# KiCad board ZX-Spectrum-Pentagon.kicad_pcb (continued)
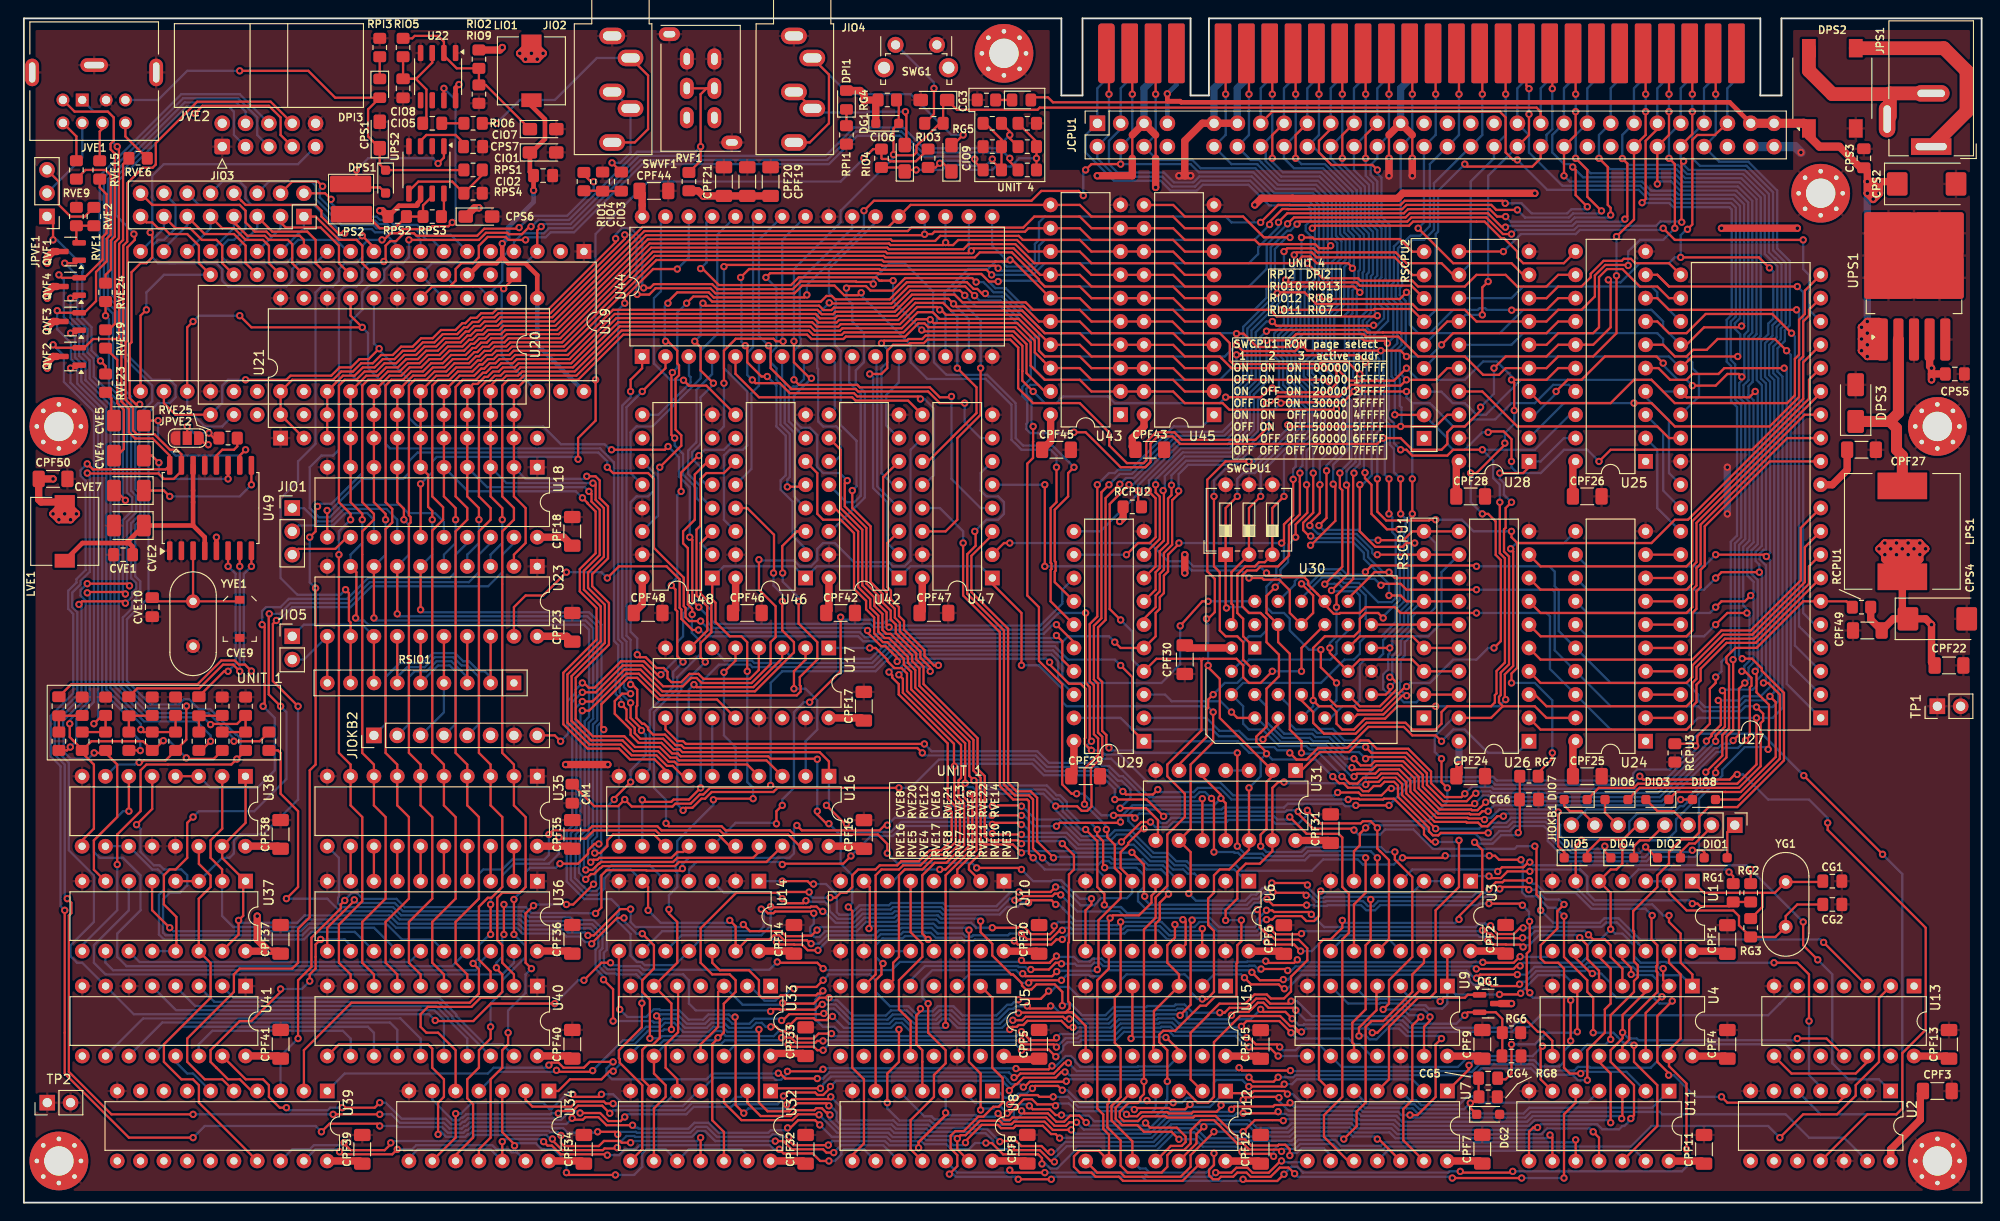
[diagram p0: board, top side]
## Routing (per net, layer and track width the routed paths; a pad name or vN(x,y) marks a point on that pad's centre or on a via; arc(x,y) is an arc through that point) (continued)
/D6: length 296.7
  Top w0.25: 119.38,103.6 116.21,103.6 114.94,104.87 108.73,104.87 108.29,105.31 99.74,105.31 99.19,104.76 94.52,104.76 94.35,104.93 67.91,104.93 58.03,95.05 52.39,95.05 51.94,94.6 50.68,94.6 50.2,94.13 49.57,94.13 48.99,93.54 48.66,93.54 47.92,92.8 46.34,92.8 45.41,91.88 44.14,91.88 43.25,90.99 41.99,90.99 41.09,90.08 39.81,90.08 U19.31 U21.5 U18.8 38.1,76.29 39.37,75.02 v1(39.37,74.39) ; v1(143.24,79.47) 143.24,77.87 143.51,77.6 143.51,69.27 v1(141.61,67.37) ; v1(144.61,101.77) 144.61,101.87 144.15,102.33 140.73,102.33 140,103.05 139.16,103.05 138.43,102.33 126.37,102.33 125.1,103.59 U45.13 ; v1(61.16,36.24) 61.88,36.24 62.54,36.91 62.62,36.91 62.83,37.11 70.67,37.11 71.12,37.56 79.38,37.56 80.01,38.19 U16.17 ; v1(138.43,120.74) 138.43,124.91 XMCPU1.B9 ; U30.20 RSCPU1.5 U26.15 ; v1(38.1,63.68) U23.8 ; 119.38,103.6 121.92,103.6
  Bottom w0.25: v1(61.16,36.24) 60.96,36.44 60.96,39.74 61.49,40.28 61.49,52.26 61.97,52.74 61.97,62.59 61.15,63.41 38.37,63.41 v1(38.1,63.68) ; v1(39.37,74.39) 39.37,70.58 U23.8 ; v1(138.43,120.74) 138.43,116.3 137.16,115.03 137.16,113.76 138.25,112.67 141.42,112.67 144.17,109.92 144.17,105.88 144.77,105.28 144.77,101.93 v1(144.61,101.77) 144.82,101.56 144.82,100.22 144.17,99.57 144.17,97.04 143.79,96.66 143.79,88.08 144.5,87.37 144.5,80.85 143.24,79.59 v1(143.24,79.47) ; v1(141.61,67.37) 141.64,67.41 142.63,67.41 142.64,67.4 143.12,67.4 143.47,67.05 145.14,67.05 146.05,66.14 146.05,63.59 U30.20
/D7: length 316.3
  Top w0.25: U26.13 RSCPU1.7 149.22,68.04 v1(148.59,68.67) 147.02,68.67 144.15,65.8 U30.21 ; v1(36.83,74.39) 36.83,75.02 35.56,76.29 U18.9 U21.4 U19.30 37.27,90.08 38.54,90.08 39.44,90.98 40.71,90.98 41.62,91.89 42.88,91.89 43.8,92.8 45.06,92.8 45.96,93.7 47.54,93.7 48.28,94.44 48.61,94.44 49.2,95.03 49.83,95.03 50.31,95.5 51.57,95.5 52.05,95.99 57.69,95.99 67.53,105.83 96.21,105.83 96.59,106.21 108.78,106.21 109.98,107.41 114.94,107.41 116.21,106.14 119.38,106.14 ; XMCPU1.B3 123.19,124.91 v1(123.19,120.74) ; U16.18 80.83,37.11 71.31,37.11 70.86,36.66 63.01,36.66 62.81,36.46 62.73,36.46 62.07,35.79 61.73,35.79 v1(61.16,35.22) ; U23.9 36.2,68.67 36.2,63.77 v1(36.11,63.68) ; v1(142.24,104.23) 141.97,103.96 141,103.96 140.56,104.41 134.45,104.41 133.99,104.87 126.37,104.87 125.09,106.14 121.93,106.14 U45.12 ; v1(140.07,72.61) 139.9,72.61 139.25,73.26 139.25,74.06 140.34,75.15 140.34,79.47 v1(140.34,79.47) ; 119.38,106.14 121.92,106.14
  Bottom w0.25: v1(36.11,63.68) 36.38,63.41 37.02,63.41 37.47,62.96 60.96,62.96 61.52,62.4 61.52,52.93 61.04,52.45 61.04,40.46 60.51,39.93 60.51,36.62 60.43,36.54 60.43,35.94 v1(61.16,35.22) ; v1(123.19,120.74) 123.19,116.3 121.92,115.03 123.38,113.57 127.19,113.57 128.09,112.67 134.04,112.67 136.29,110.42 140.49,110.42 141.92,108.99 141.92,104.55 v1(142.24,104.23) 141.92,103.91 141.92,98.53 141.27,97.88 141.21,97.88 140.83,97.51 140.83,92.42 139.77,91.36 139.77,90.2 140.88,89.08 140.88,87.81 141.61,87.09 141.61,83.27 140.34,82.01 v1(140.34,79.47) ; v1(148.59,68.67) 147.96,68.67 146.31,70.32 146.31,70.95 144.88,72.39 140.29,72.39 v1(140.07,72.61) ; v1(36.83,74.39) 36.83,71.85 35.56,70.58 U23.9
/DI_32765: length 62.9
  Top w0.25: v1(81.91,41.27) 81.91,42.64 v1(82.55,43.27) ; v1(85.53,54.51) 88.9,57.88 v1(88.9,63.77)
  Bottom w0.25: v1(88.9,63.77) 89.17,63.5 92.31,63.5 92.68,63.13 93.6,63.13 93.88,63.4 94.48,63.4 95.03,62.85 110.63,62.85 113.03,65.26 113.03,65.5 113.03,66.77 U29.13 ; v1(81.91,41.27) 81.82,41.37 77.47,41.37 U16.15 ; v1(85.53,54.51) 84.9,54.51 83.82,53.43 83.82,45.18 82.55,43.91 v1(82.55,43.27)
/DISPLAY: length 257.9
  Top w0.25: v1(139.72,34.6) 139.5,34.82 v1(135.84,34.82) ; 144.78,15.96 144.78,17.23 144.6,17.42 144.6,19.6 146.05,21.05 146.05,28.03 146.59,28.58 v1(146.59,33.02) ; v1(78.74,57.88) 78.74,57.98 78.73,57.99 78.73,61.05 78.09,61.69 76.84,61.69 75.29,63.24 75.29,65.34 74.93,65.7 U48.1 ; v1(129.45,53.43) 129.45,50.17 127,47.72 127,40.72 U31.9 127,38.19 127,33.87 v1(126.8,33.67) ; 57.15,12.45 57.44,12.16 58.17,12.16 59.44,13.43 62.87,13.43 63.77,14.34 64.13,14.34 v1(64.15,14.32) ; 174,15.96 174,17 174.74,17.75 174.74,19.9 177.8,22.95 177.8,25.1 177.71,25.19 177.71,25.8 177.8,25.89 177.8,28.03 177.17,28.67 177.17,31.21 v1(177.24,31.28) ; v1(70.21,31.93) 70.21,31.49 71.12,30.57 71.12,26.13 68.59,23.59 U33.6 70.49,21.69 v1(70.49,18.86) ; v1(159.47,34.15) 160.22,34.9 160.95,34.9 161.13,35.09 v1(163.88,35.09) ; U47.1 105.41,67.4 108.59,64.23 v1(108.59,58.53) ; v1(79.38,44.01) 75.17,44.01 v1(75.05,43.88)
  Bottom w0.25: v1(126.8,33.67) 127.58,32.9 132.93,32.9 133.59,33.56 134.13,33.56 134.85,34.28 135.3,34.28 v1(135.84,34.82) ; v1(108.59,58.53) 110.47,58.53 113.03,55.97 113.03,54.54 113.5,54.07 128.82,54.07 v1(129.45,53.43) ; v1(75.05,43.88) 75.05,43.33 71.12,39.4 71.12,36.85 70.96,36.69 70.96,36.09 71.12,35.92 71.12,34.38 70.21,33.47 v1(70.21,31.93) ; v1(159.47,34.15) 159.07,33.75 158.12,33.75 157.67,33.3 146.87,33.3 v1(146.59,33.02) 146.32,33.3 141.55,33.3 141.47,33.22 140.87,33.22 139.72,34.37 v1(139.72,34.6) ; 105.4,68.05 104.14,69.31 96.5,69.31 95.25,68.05 ; v1(163.88,35.09) 164.23,34.73 164.58,34.73 165.56,33.75 166.37,33.75 168.91,33.75 170.64,32.01 176.5,32.01 v1(177.24,31.28) ; v1(64.15,14.32) 64.86,15.04 64.86,15.64 64.77,15.73 64.77,16.6 65.41,17.24 66.46,17.24 67.94,18.71 69.55,18.71 69.7,18.86 v1(70.49,18.86) ; v1(78.74,57.88) 78.74,45.81 79.38,45.18 v1(79.38,44.01) ; 74.91,68.04 76.19,69.31 83.82,69.31 U46.1 85.09,68.08 86.32,69.31 ; 86.36,69.31 93.97,69.31 95.22,68.05
/F25Hz: length 169.9
  Top w0.25: v1(137.86,14.38) 132.59,14.38 v1(132.27,14.7) ; v1(64.13,15.33) 61.6,15.33 60.96,14.7 58.74,14.7 58.18,15.25 57.42,15.25 v1(57.15,14.98) ; v1(113.69,15.23) 113.25,15.23 112.64,14.62 112.64,14.59 112.11,14.06 108.48,14.06 108.04,13.63 v1(107.78,13.63) ; v1(86.36,13.52) 82.87,13.52 82.39,14 82.22,14 v1(82.12,14.1)
  Bottom w0.25: v1(132.27,14.7) 131.96,14.39 121.43,14.39 121.38,14.33 114.59,14.33 v1(113.69,15.23) ; v1(107.78,13.63) 107.22,14.19 87.66,14.19 87,13.52 v1(86.36,13.52) ; v1(64.13,15.33) 63.85,15.05 63.42,14.62 63.42,14.02 64.02,13.43 ; 193.05,15.96 191.77,17.24 178.28,17.24 177.8,16.76 177.8,15.41 177.09,14.7 170.48,14.7 170.39,14.79 169.16,14.79 168.75,14.38 164.9,14.38 164.21,15.07 158.44,15.07 157.6,14.24 157,14.24 156.91,14.33 137.92,14.33 v1(137.86,14.38) ; 64.13,13.43 74.29,13.43 74.93,14.06 82.08,14.06 v1(82.12,14.1) ; v1(57.15,14.98) 56.87,14.7 51.14,14.7 50.51,14.06 34.92,14.06 U39.1
/FSYNC: length 16.9
  Top w0.25: v1(153.05,20.22) 153.05,19.8 152.41,19.15 152.41,15.96
  Bottom w0.25: v1(153.05,20.22) 153.05,20.38 152.38,21.05 150.79,21.05 150.15,21.68 148.34,21.68 148.26,21.76 147.65,21.76 147.57,21.68 144.14,21.68 142.25,23.58
/Generator/B6: length 186.7
  Top w0.25: v1(108.31,33.84) 108.31,33.84 111.76,33.84 v1(112.3,34.38) ; v1(148.59,43.27) v1(144.98,43.27) ; v1(196.34,41.37) 196.34,40.61 207.01,29.94 207.01,18.83 204.47,16.29 204.47,10.25 203.84,9.62 200.68,9.62 195.59,4.53 ; v1(186.49,46.64) 186.24,46.64 185.68,46.08 176.26,46.08 v1(175.9,46.45) ; v1(85.95,34.71) 85.62,34.71 85.31,35.02 v1(82.55,35.02) ; U6.6 120.64,35.18 119.38,36.44 119.38,38.18 120.19,38.99 120.19,39.17 121.76,40.73 v1(121.92,40.73)
  Bottom w0.25: v1(108.31,33.84) 107.4,33.84 105.85,32.29 100.4,32.29 100.05,32.64 94.42,32.64 94.16,32.38 90.94,32.38 89.93,31.37 88.74,31.37 88.49,31.62 88.49,33.52 87.31,34.71 v1(85.95,34.71) ; v1(121.92,40.73) 121.07,40.73 120.21,41.6 120.21,42.2 120.84,42.82 130.36,42.82 130.57,43.03 137.16,43.03 137.59,43.46 143.57,43.46 143.84,43.18 144.89,43.18 v1(144.98,43.27) ; v1(175.9,46.45) 174.97,45.52 160.15,45.52 159.78,45.9 151.21,45.9 v1(148.59,43.27) ; v1(186.49,46.64) 187.13,46.64 189.87,43.91 194.31,43.91 196.34,41.88 v1(196.34,41.37) ; v1(112.3,34.38) 113.03,34.38 115.02,32.39 116.51,32.39 116.93,32.81 116.93,32.84 117.25,33.16 120.06,33.16 120.64,33.73 U6.6 ; 80.01,35.02 v1(82.55,35.02)
/Generator/B7: length 60.1
  Top w0.25: v1(107.86,32.94) 108.44,32.94 108.88,33.39 111.95,33.39 112.22,33.66 112.73,33.66 v1(112.86,33.53) ; v1(82.55,33.11) 83.05,32.62 84.85,32.62 v1(85.13,32.89) ; v1(126.16,30.82) 126.23,30.82 126.46,30.59 126.46,28.13 125.72,27.39
  Bottom w0.25: v1(126.16,30.82) 125.95,31.02 119.96,31.02 119.23,31.75 117.89,31.75 117.85,31.71 114.68,31.71 v1(112.86,33.53) ; v1(107.86,32.94) 107.69,33.11 107.31,33.11 106.04,31.84 100.21,31.84 99.86,32.19 94.6,32.19 94.35,31.93 91.13,31.93 90.12,30.92 88.56,30.92 87.68,31.79 87.68,32.29 87.19,32.77 85.24,32.77 v1(85.13,32.89) ; 74.94,35.02 76.21,33.75 81.91,33.75 v1(82.55,33.11)
/Generator/B8: length 62.3
  Top w0.25: v1(90.02,37.76) 89.19,36.92 82.64,36.92 v1(82.55,36.84) ; 105.31,40.2 105.42,40.1 108.58,40.1 v1(108.58,40.1)
  Bottom w0.25: 72.4,35.02 72.4,35.91 72.4,35.92 72.4,36.3 73.21,37.11 82.28,37.11 v1(82.55,36.84) ; v1(108.58,40.1) 108.86,39.83 113.33,39.83 114.59,38.57 119.77,38.57 120.19,38.99 120.79,38.99 122.59,37.19 124.17,37.19 125.07,36.29 126.2,36.29 126.65,35.84 127.43,35.84 128.25,35.01 ; v1(90.02,37.76) 92.2,39.94 94.59,39.94 95.67,41.03 104.56,41.03 105.38,40.2 v1(105.41,40.2)
/Generator/B12: length 111.3
  Top w0.25: U12.13 126.12,2.37 119.64,2.37 119.19,2.82 116.65,2.82 116.2,3.27 114.94,3.27 114.3,3.91 114.3,5.05 114.91,5.66 117,5.66 117.47,5.17 117.47,5.17 U12.9 118.12,7.4 117.49,8.02 117.49,9.6 116.84,10.25 116.84,24.22 118.09,25.48 118.09,30.86 v1(118.23,31) 118.53,31.3 121.38,31.3 122.74,32.66 122.74,33.43 123.18,33.87 U6.5 ; v1(86.96,31.73) 86.8,31.73 86.28,32.25 85.68,32.25 85.6,32.17 81.36,32.17 v1(81.28,32.25) ; v1(112.32,32.48) 111.86,32.94 109.63,32.94 v1(109.35,32.67)
  Bottom w0.25: v1(112.32,32.48) 112.67,32.48 113.12,32.04 113.12,32.03 114.47,30.67 117.9,30.67 v1(118.23,31) ; v1(109.35,32.67) 108.59,32.67 108.59,32.64 108.17,32.22 107.05,32.22 106.22,31.39 100.03,31.39 99.68,31.74 94.79,31.74 94.53,31.48 91.31,31.48 90.3,30.47 88.37,30.47 87.11,31.73 v1(86.96,31.73) ; 69.85,27.4 71.57,29.12 80.26,29.12 81.28,30.14 81.28,30.96 v1(81.28,32.25)
/Generator/B13: length 164.9
  Top w0.25: v1(138.32,3.16) 137.66,3.82 136.7,3.82 135.69,2.81 133.55,2.81 133.09,3.27 132.08,3.27 131.63,2.82 130.31,2.82 130.03,2.54 129.43,2.54 129.01,2.97 129.01,3.57 129.54,4.1 v1(129.54,5.38) ; v1(167.64,2.68) 167.64,9.62 168.92,10.89 U11.5 ; v1(112.15,30.14) 112.15,29.69 111.7,29.24 109.62,29.24 109.31,29.55 109.31,29.61 108.89,30.03 108.28,30.03 108.19,29.94 v1(105.41,29.94) ; v1(163.03,2.68) v1(155.48,2.68) ; v1(85.98,31.52) 85.79,31.72 81.77,31.72 81.58,31.52 80.98,31.52 80.53,31.97 v1(80.26,31.97) ; U12.10 120.66,6.68 118.39,8.95 118.39,10.53 119.38,11.53 119.38,16.76 118.75,17.4 118.75,22.36 119.38,22.99 v1(119.38,30.57) ; v1(128.27,29.84) 128.25,29.83 128.25,27.39
  Bottom w0.25: U12.10 121.47,3.72 122.11,3.72 122.56,3.27 128.71,3.27 129.54,4.1 v1(129.54,5.38) ; v1(105.41,29.94) 103.64,29.94 103.1,30.49 99.65,30.49 99.3,30.84 95.16,30.84 94.9,30.58 91.69,30.58 90.67,29.57 87.24,29.57 86.61,28.94 86.06,28.94 85.61,29.39 85.61,29.99 85.98,30.36 v1(85.98,31.52) ; 67.31,27.4 69.49,29.57 80.04,29.57 80.52,30.06 80.52,31.71 v1(80.26,31.97) ; v1(155.48,2.68) 155.34,2.82 138.66,2.82 v1(138.32,3.16) ; v1(112.15,30.14) 112.58,30.57 113.93,30.57 114.28,30.22 119.03,30.22 v1(119.38,30.57) 123.83,30.57 124.83,29.57 128,29.57 v1(128.27,29.84) ; v1(163.03,2.68) v1(167.64,2.68)
/Generator/B50: length 120
  Top w0.25: v1(130.31,10.62) 130.31,10.39 129.81,9.89 127.27,9.89 127.09,9.72 124.61,9.72 124.47,9.85 121.61,9.85 121.17,9.41 120.22,9.41 v1(120.02,9.62) ; v1(112.29,10.56) 112.15,10.7 110.3,10.7 109.74,11.27 108.85,11.27 107.88,10.29 107.88,10.27 107.34,9.74 v1(107.04,9.74) ; 102.87,23.08 v1(102.87,29.69) ; v1(132.72,11.2) 132.99,11.47 133.82,11.47 133.88,11.53 136.53,11.53 v1(136.61,11.44) ; v1(173.91,9.16) 174,9.24 U11.3 ; v1(91.99,29.86) 92.07,29.95 92.07,34.38 U10.7 ; v1(104.14,10.09) 104.14,14.06 102.87,15.33 102.87,22.95
  Bottom w0.25: v1(132.72,11.2) 132.41,10.89 130.58,10.89 v1(130.31,10.62) ; v1(136.61,11.44) 136.61,11.06 137.69,9.99 145.04,9.99 145.58,9.45 149.4,9.45 150.03,8.81 163.62,8.81 164.24,9.44 173.64,9.44 v1(173.91,9.16) ; v1(91.99,29.86) 92.26,30.13 95.09,30.13 95.35,30.39 99,30.39 99.45,29.94 102.62,29.94 v1(102.87,29.69) ; U12.4 123.19,10.26 122.79,9.85 121.61,9.85 121.17,9.41 120.22,9.41 v1(120.02,9.62) 119.67,9.96 114.59,9.96 113.75,10.8 112.54,10.8 v1(112.29,10.56) ; v1(107.04,9.74) 106.34,10.44 105.74,10.44 105.56,10.25 104.3,10.25 v1(104.14,10.09)
/Generator/B51: length 134.1
  Top w0.25: 64.77,27.39 64.77,21.14 v1(64.86,21.05) ; v1(77.41,20.21) 77.47,20.15 77.47,10.64 v1(78.36,9.75) ; v1(83.03,10.68) 83.63,11.28 87.58,11.28 v1(87.83,11.53) ; U11.9 166.38,7.1 v1(166.12,7.36) ; v1(128.44,8.27) 127.64,7.46 127.64,6.44 126.37,5.17 126.37,5.16 125.74,4.53 ; v1(106.24,6.64) 106.31,6.71 108.01,6.71 108.56,6.16 110.77,6.16 111.5,5.44 111.75,5.44 v1(111.82,5.51)
  Bottom w0.25: v1(83.03,10.68) 83.19,10.53 83.19,10.25 78.87,10.25 v1(78.36,9.75) ; v1(106.24,6.64) 104.86,8.02 103.2,8.02 103.06,8.16 98.77,8.16 98.43,8.5 95.12,8.5 94.65,8.96 89.08,8.96 88.92,9.12 88.92,10.44 v1(87.83,11.53) ; v1(77.41,20.21) 77.04,20.21 76.76,20.49 74.5,20.49 73.95,19.94 72.34,19.94 71.32,20.97 69.27,20.97 69.17,21.06 68.57,21.06 67.74,20.23 65.68,20.23 v1(64.86,21.05) ; v1(111.82,5.51) 112.24,5.51 113.34,6.6 122.96,6.6 124.89,8.54 128.16,8.54 v1(128.44,8.27) 128.71,8.54 130.77,8.54 130.77,8.54 133.16,8.54 134.04,7.66 137.64,7.66 138.17,8.19 144.3,8.19 144.84,7.65 148.65,7.65 149.28,7.01 165.77,7.01 v1(166.12,7.36)
/Generator/C6: length 59.5
  Top w0.25: v1(136.03,5.04) 135.75,5.32 132.8,5.32 v1(132.59,5.54) ; U11.10 168.92,6.83 v1(168.91,6.84) ; v1(125.73,6.9) 124.92,7.72 121.92,7.72 121.19,8.44 119.53,8.44 118.84,9.13 118.84,10.33 U12.5
  Bottom w0.25: v1(132.59,5.54) 132.02,6.1 128.31,6.1 127.5,6.9 v1(125.73,6.9) ; v1(168.91,6.84) 168.64,6.56 148.07,6.56 147.71,6.2 143.37,6.2 142.73,6.84 138.73,6.84 138.2,6.31 136.6,6.31 136.03,5.74 v1(136.03,5.04)
/GPA6: length 26
  Top w0.25: v1(34.36,5.54) 34.64,5.26 40.09,5.26 v1(40.64,5.81)
  Bottom w0.25: U39.19 31.75,5.81 34.09,5.81 v1(34.36,5.54) ; v1(40.64,5.81) 42.25,5.81 42.7,6.26 50.99,6.26 51.44,5.81 52.76,5.81 53.1,5.47 53.68,5.47 U34.13
/GPA7: length 73.2
  Top w0.25: v1(88.15,5.45) 87.36,5.45 87,5.81 83.58,5.81 82.68,6.7 v1(81.79,6.7) ; v1(34.85,6.53) 34.85,6.42 35.56,5.72 39.27,5.72 39.93,6.37 v1(39.93,6.52) ; v1(64.59,5.99) 64.49,5.9 63.2,5.9 63.01,5.72 58.61,5.72 57.53,6.8 v1(57.53,6.94)
  Bottom w0.25: v1(57.53,6.94) 57.31,6.94 56.87,7.37 49.07,7.37 48.41,6.71 40.13,6.71 v1(39.93,6.52) ; v1(64.59,5.99) 64.59,6.26 65.58,7.26 66.44,7.26 66.54,7.16 72.71,7.16 73.36,7.81 74.16,7.81 75.25,6.71 81.78,6.71 v1(81.79,6.7) ; U39.18 29.21,5.81 31.11,5.81 31.56,6.26 34.06,6.26 34.06,6.26 34.58,6.26 v1(34.85,6.53) ; v1(88.15,5.45) 88.96,6.26 93.53,6.26 U8.10
/HSYNC: length 382
  Top w0.25: v1(114.58,8.75) 113.81,8.75 113.43,8.37 112.19,8.37 111.28,9.27 107.6,9.27 107.34,9.01 106.74,9.01 v1(106.04,9.71) ; v1(18.41,7.08) 11.43,7.08 4.45,14.06 v1(4.45,31.84) ; 97.39,6.58 100.33,9.52 v1(100.33,9.78) ; 97.39,6.58 v1(97.39,5.97) ; 97.39,6.58 100.34,9.53 ; v1(6.9,80.47) 7.17,80.19 7.2,80.19 7.52,79.88 15.44,79.88 U49.16 15.88,81.38 14.02,83.23 12.11,83.23 11.43,83.91 11.43,86.46 10.61,87.28 10.61,93.89 10.82,94.09 10.82,104.25 11.25,104.68 11.25,111.03 12.95,112.73 14.02,112.73 14.35,113.07 14.35,115.41 18.87,119.92 26.85,119.92 JVE2.8 ; v1(83.26,7.15) 83.26,6.76 83.76,6.26 87.55,6.26 v1(87.56,6.27) ; v1(150.88,9.54) 151.69,9.54 153.67,11.53 153.67,17.24 v1(154.31,17.88) ; v1(32.38,7.72) 33.27,8.6 38.48,8.6 v1(38.73,8.35) ; v1(131.44,10.17) 131.75,10.47 135.99,10.47 136.15,10.63 137.59,10.63 v1(137.83,10.88) ; 147.33,23.58 147.23,23.48 147.23,20.96 145.33,19.06 v1(145.33,18.16) ; v1(64.64,7.44) 64.36,7.72 v1(62.45,7.72)
  Bottom w0.25: U8.3 100.34,9.79 v1(100.33,9.78) 100.6,9.51 103.62,9.51 103.76,9.37 105.69,9.37 v1(106.04,9.71) ; v1(97.39,5.97) 97.11,6.25 94.18,6.25 93.72,6.71 88,6.71 v1(87.56,6.27) ; 200.67,4.53 198.12,7.08 194.31,7.08 191.77,9.62 178.33,9.62 178.06,9.88 164.05,9.88 163.43,9.26 151.15,9.26 v1(150.88,9.54) 149.94,9.54 149.58,9.9 145.77,9.9 145.23,10.44 138.26,10.44 v1(137.83,10.88) ; v1(4.45,31.84) 4,32.29 4,47.53 2.91,48.62 2.91,53.02 5.37,55.48 5.37,64.13 4.82,64.68 4.82,66.65 5.72,67.55 5.72,67.91 6.72,68.91 6.72,78.62 6.17,79.17 6.17,79.77 6.6,80.19 6.62,80.19 v1(6.9,80.47) ; v1(18.41,7.08) 19.69,8.35 31.75,8.35 v1(32.38,7.72) ; v1(145.33,18.16) 145.38,18.21 146.05,18.21 146.47,17.78 147.23,17.78 148.41,18.96 149.69,18.96 150.5,18.15 154.03,18.15 v1(154.31,17.88) ; v1(114.58,8.75) 115.38,7.95 122.4,7.95 124.34,9.89 131.17,9.89 v1(131.44,10.17) ; v1(83.26,7.15) 82.36,7.15 82.09,7.43 81.49,7.43 81.22,7.16 75.44,7.16 74.34,8.25 73.17,8.25 72.53,7.61 66.72,7.61 66.62,7.71 64.9,7.71 v1(64.64,7.44) ; v1(38.73,8.35) 40.64,8.35 40.75,8.24 45.52,8.24 46.14,7.62 47.86,7.62 48.14,7.9 48.32,7.9 48.7,8.27 57.34,8.27 57.5,8.11 58.7,8.11 59.18,7.63 62.36,7.63 v1(62.45,7.72)
/InputOutput/CHA: length 77.7
  Top w0.25: RIO7.1 107.31,113.39 v1(107.31,113.76)
  Bottom w0.25: v1(107.31,113.76) 106.68,114.39 97.79,114.39 95.51,116.67 90.54,116.67 87.44,113.57 67.12,113.57 59.69,106.14 57.15,106.14 56.6,105.59 54.31,105.59 53.34,104.63 U19.4 52.71,103.61 51.44,102.34 44.45,102.34 U20.5 45.72,98.52 U21.17
/InputOutput/CHB: length 78
  Top w0.25: RIO10.1 107.31,116.66 v1(107.31,116.3) 107.31,115.94 RIO8.1 ; v1(56.3,106.32) 55.88,105.9 U19.3
  Bottom w0.25: v1(107.31,116.3) 105.86,114.84 97.97,114.84 95.7,117.12 90.35,117.12 87.26,114.02 66.94,114.02 59.51,106.59 56.58,106.59 v1(56.3,106.32) ; U19.3 54.6,102.33 52.07,102.33 52.07,100.42 50.8,99.16 U21.15 49.52,99.79 46.99,99.79 U20.4
/InputOutput/CHC: length 92.8
  Top w0.25: v1(103.5,113.67) 103.5,113.39 RIO11.1 ; 46.35,99.79 46.99,100.43 46.99,101.7 47.62,102.33 48.88,102.33 49.51,102.97 49.51,104.22 50.49,105.19 52.43,105.19 52.76,104.87 v1(54.61,104.87) ; U21.18 44.45,99.79 47.62,99.79 47.62,99.79 51.98,99.79 v1(52.22,99.55) 53.34,100.67 U20.1
  Bottom w0.25: v1(52.22,99.55) 52.01,99.34 52.01,92.24 U19.38 ; v1(103.5,113.67) 103.23,113.94 97.6,113.94 95.33,116.22 90.72,116.22 87.63,113.12 67.31,113.12 59.88,105.69 57.34,105.69 56.79,105.14 54.88,105.14 v1(54.61,104.87)
/InputOutput/IND5: length 15
  Top w0.25: U23.13 RSIO1.7
  Bottom w0.25: U23.13 36.83,62.96 30.48,62.96 29.21,61.69
/InputOutput/IND7: length 9.9
  Top w0.25: U23.11 RSIO1.9
  Bottom w0.25: U23.11 30.48,59.15 29.21,59.15
/InputOutput/IOA0: length 30.2
  Top w0.25: U20.14 19.05,102.33 19.05,104.23 17.78,105.5 15.88,105.5 15.24,106.14 14.6,106.14 13.97,106.77 13.34,106.77 JIO3.15 ; U19.21 12.7,96.61 v1(13.34,97.25)
  Bottom w0.25: U20.14 15.25,101.07 13.34,99.16 v1(13.34,97.25)
/InputOutput/IOA1: length 16.2
  Top w0.25: U20.13 21.59,102.33 21.59,104.24 20.96,104.87 19.37,104.87 18.09,106.14 16.51,106.14 JIO3.13
  Bottom w0.25: U19.20 14.41,105.32 14.42,105.32 15.24,106.14 JIO3.13
/InputOutput/IOA2: length 16.2
  Top w0.25: U20.12 24.13,102.33 24.13,104.24 22.87,105.5 19.69,105.5 JIO3.11
  Bottom w0.25: U19.19 15.24,103.92 17.78,106.46 JIO3.11
/InputOutput/IOA3: length 16.2
  Top w0.25: JIO3.9 21.59,106.14 22.87,106.14 24.14,104.87 26.03,104.87 26.48,104.42 26.48,104.42 26.67,104.23 26.67,102.33 U20.11
  Bottom w0.25: JIO3.9 20.32,106.15 U19.18
/InputOutput/IOA4: length 16.7
  Top w0.25: JIO3.7 22.86,106.77 23.04,106.59 23.05,106.59 24.33,105.32 26.22,105.32 26.67,104.87 28.74,104.87 29.21,104.4 29.21,102.33 U20.10
  Bottom w0.25: U19.17 22.86,106.15 JIO3.7
/InputOutput/IOA5: length 16.6
  Top w0.25: U20.9 31.76,102.33 31.76,104.86 30.85,105.77 27.04,105.77 25.4,107.41 JIO3.5
  Bottom w0.25: JIO3.5 25.4,106.15 U19.16
/InputOutput/IOA6: length 16.6
  Top w0.25: JIO3.3 27.94,106.77 28.49,106.22 32.3,106.22 34.3,104.23 34.3,102.33 U20.8
  Bottom w0.25: U19.15 27.94,106.15 JIO3.3
/InputOutput/IOA7: length 16.2
  Top w0.25: JIO3.1 31.76,107.41 34.3,104.88 36.2,104.88 36.84,104.24 36.84,102.33 U20.7
  Bottom w0.25: U19.14 30.48,106.15 JIO3.1
/InputOutput/IOB0: length 21.9
  Top w0.25: JIO3.16 13.97,108.68 23.49,108.68 24.13,108.04 24.13,106.77 25.13,105.77 26.41,105.77 26.85,105.32 30.03,105.32 30.48,104.87 U19.13
/InputOutput/IOB1: length 33.1
  Bottom w0.25: 16.51,102.33 14.6,102.33 13.97,102.97 13.97,104.24 14.6,104.87 15.24,104.87 16.51,106.14 16.51,108.68 JIO3.14 ; 15.78,102.33 20.95,102.33 21.59,101.69 21.59,100.42 22.23,99.79 28.58,99.79 29.21,100.42 29.21,101.69 29.84,102.33 31.74,102.33 U19.12
/InputOutput/IOB2: length 30.2
  Bottom w0.25: U19.11 35.25,103.61 33.99,104.87 29.84,104.87 29.21,104.24 29.21,102.97 28.58,102.33 22.23,102.33 21.59,102.97 21.59,104.23 22.23,104.87 22.86,104.87 24.13,106.14 24.13,108.04 23.49,108.68 19.05,108.68 JIO3.12
/InputOutput/IOB3: length 23.3
  Top w0.25: U19.10 38.1,104.05 v1(36.83,105.32)
  Bottom w0.25: JIO3.10 21.59,111.22 23.49,111.22 24.13,110.58 24.13,109.31 24.77,108.68 31.56,108.68 34.2,106.04 34.2,105.3 34.62,104.88 36.38,104.88 v1(36.83,105.32)
/InputOutput/IOB4: length 21.5
  Top w0.25: JIO3.8 23.68,109.13 23.68,109.13 24.13,108.68 31.75,108.68 32.38,108.04 32.38,107.42 34.21,105.6 v1(34.92,105.6)
  Bottom w0.25: v1(34.92,105.6) 35.37,106.04 37.86,106.04 38.22,105.69 39.19,105.69 40.64,104.23 U19.9
/InputOutput/IOB5: length 23.1
  Bottom w0.25: U19.8 43.18,104.87 42.45,105.59 39.92,105.59 39.37,106.14 38.4,106.14 38.05,106.49 34.57,106.49 31.75,109.31 31.75,110.78 31.31,111.22 26.67,111.22 JIO3.6
/InputOutput/IOB6: length 22.6
  Top w0.25: JIO3.4 29.21,111.22 32,111.22 v1(32.51,110.71)
  Bottom w0.25: v1(32.51,110.71) 32.2,110.4 32.2,109.5 34.76,106.94 38.23,106.94 38.59,106.59 39.56,106.59 40.1,106.04 42.64,106.04 43.82,104.87 43.82,104.87 44.46,104.87 U19.7
/InputOutput/IOB7: length 20.6
  Top w0.25: v1(33.44,109.29) 32.78,109.95 JIO3.2
  Bottom w0.25: v1(33.44,109.29) 33.44,108.9 34.94,107.39 38.42,107.39 38.78,107.04 39.74,107.04 40.29,106.49 42.83,106.49 43.91,105.41 46.46,105.41 U19.6
/InputOutput/KBA8: length 5.7
  Top w0.25: 181.1,41.12 179.58,42.64 177.82,42.64 DIO3.2
/InputOutput/KBA9: length 3.4
  Top w0.25: 173.48,41.12 172.11,42.5 DIO6.2
/InputOutput/KBA10: length 4.8
  Top w0.25: DIO7.2 167.66,43.25 168.25,42.66 169.53,42.66 170.94,41.24
/InputOutput/KBA11: length 14.4
  Top w0.25: v1(180.34,43.91) DIO8.2
  Bottom w0.25: v1(180.34,43.91) 179.25,42.82 170.11,42.82 168.4,41.12
/InputOutput/KBA12: length 7.7
  Top w0.25: 170.18,37.56 170.18,38.19 171.54,39.55 174.08,39.55 175.65,41.12 176.02,41.12
/InputOutput/KBA13: length 5.5
  Top w0.25: 178.56,41.12 176.91,39.46 175.9,39.46 175.26,38.83 175.26,37.56
/InputOutput/KBA14: length 5.3
  Top w0.25: 183.64,41.12 183.64,40.86 181.89,39.11 181.26,39.11 180.34,38.19 180.34,37.56
/InputOutput/KBA15: length 3.9
  Top w0.25: 186.18,41.12 185.42,40.36 185.42,37.56
/InputOutput/KBD0: length 26.2
  Top w0.25: U23.18 RSIO1.2
  Bottom w0.25: 38.13,50.89 39.37,52.13 39.37,57.24 40.91,58.78 43.44,58.78 44.53,59.86 46.91,59.86 47.81,58.97 48.45,58.97 49.53,57.88 50.16,57.88 50.8,57.24 RSIO1.2
/InputOutput/KBD1: length 20.4
  Top w0.25: U23.17 RSIO1.3
  Bottom w0.25: RSIO1.3 48.26,57.24 47.44,58.06 47.44,58.07 46.54,58.96 44.9,58.96 43.81,57.88 42.55,57.88 41.91,57.24 41.91,52.13 40.67,50.89
/InputOutput/KBD2: length 11.8
  Top w0.25: U23.16 RSIO1.4
  Bottom w0.25: RSIO1.4 45.72,53.4 43.21,50.89
/InputOutput/KBD3: length 17.4
  Top w0.25: U23.15 RSIO1.5
  Bottom w0.25: 45.75,50.89 46.99,52.13 46.99,57.88 46.35,58.51 45.09,58.51 RSIO1.5
/InputOutput/KBD4: length 23.3
  Top w0.25: U23.14 RSIO1.6
  Bottom w0.25: RSIO1.6 40.64,57.25 41.72,58.33 43.63,58.33 44.71,59.41 46.73,59.41 47.63,58.52 48.26,58.52 49.53,57.25 49.53,52.13 48.29,50.89
/InputOutput/OURD5: length 15
  Bottom w0.25: 29.23,75.64 30.49,75.64 31.94,74.2 33.47,74.2 34.83,75.56 39.46,75.56 40.64,74.39 U18.14
/InputOutput/OURD6: length 11.9
  Bottom w0.25: U18.13 38.1,74.39 37.38,75.11 35.02,75.11 33.66,73.75 29.88,73.75 29.23,73.1
/InputOutput/OURD7: length 7.1
  Top w0.25: 29.23,70.56 29.88,71.21 33.9,71.21 35.17,72.48 U18.12
/InputOutput/TapeIn: length 32.1
  Top w0.25: 66.03,124.68 67.94,122.77 67.94,116.94 66.5,115.48 JIO2.TN ; v1(51.43,117.57) RIO6.2
  Bottom w0.25: 66.03,124.68 62.36,124.68 57.79,120.11 53.98,120.11 v1(51.43,117.57)
/InputOutput/TAPEINTTL: length 87.3
  Top w0.25: v1(35.01,66.77) 35.38,66.4 35.38,63.38 35.56,63.2 U23.12 RSIO1.8 ; v1(46.63,106.77) 46.21,106.35 44.45,106.35 44.14,106.04 41.18,106.04 40.73,105.59 39.91,105.59 39.19,104.87 v1(38.98,104.87) ; v1(45.72,121.38) U22.7
  Bottom w0.25: v1(35.01,66.77) 34.46,66.21 29.77,66.21 27.94,68.04 27.94,76.7 29.84,78.6 29.84,80.74 31.75,82.64 31.75,99.16 32.38,99.79 33.66,99.79 34.29,100.42 34.29,101.69 34.92,102.33 36.2,102.33 36.83,102.97 36.83,104.23 37.46,104.87 v1(38.98,104.87) ; v1(45.72,121.38) 46.99,120.11 46.99,107.13 v1(46.63,106.77)
